# Altium PCB CogniBee_V2.PcbDoc (part 2 of 2)
Units mm, origin at the board's own origin, x right, y up, seen from the top; angles counter-clockwise.
Board outline 82.69 x 82.47 mm, 4 copper layers (Top Copper, Signal Layer 1, Signal Layer 2, Bottom Copper), stack 1.57 mm thick; 119 components, 62 nets, 367 pads, 199 vias.
Unrouted connection lines stored in the file: 6.
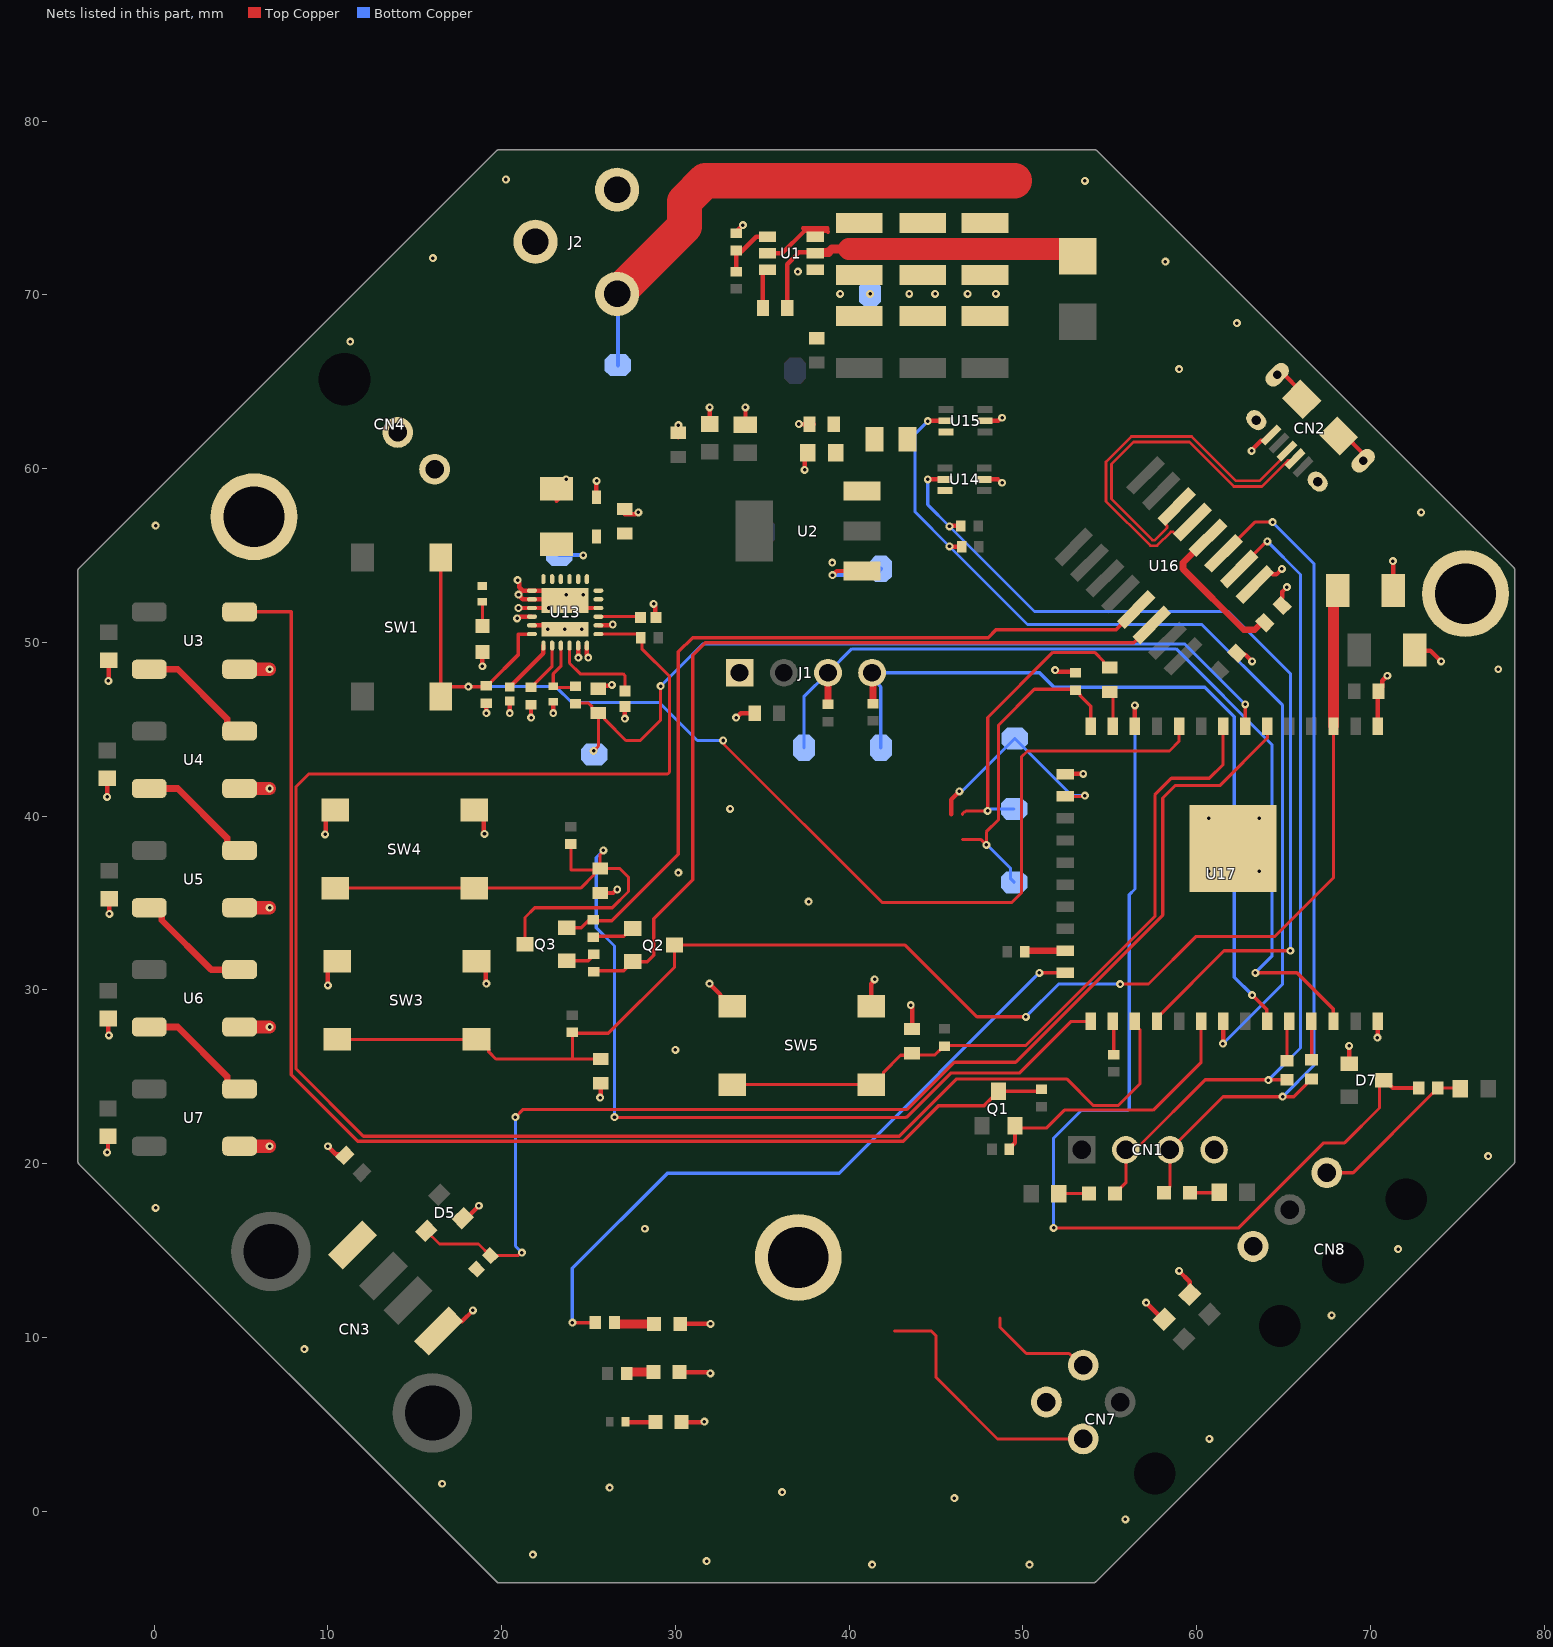
[diagram p4: the nets of this part, all layers, seen from the top]

## Via types
v1: diameter 0.457, hole 0.203, Top Copper to Bottom Copper, tented both sides, 179 vias
v2: diameter 0.61, hole 0.305, Top Copper to Bottom Copper, 9 vias
v3: diameter 0.61, hole 0.305, Top Copper to Bottom Copper, tented both sides, 6 vias
v4: diameter 0.457, hole 0.203, Top Copper to Bottom Copper, 4 vias
v5: diameter 0.457, hole 0.203, Top Copper to Bottom Copper, tented top, 1 vias

## Nets (pads, with @x,y where several pads share a name; then routed paths per layer and width w, separated by ;. In a path a pad name is that pad's centre, name@x,y a point inside that pad or via, vN(x,y) a via of type N, cw(c..) or ccw(c..) an arc to the next point about the centre after c; other vN are vias at no path point) (continued)
12V: C3.1 C4.1 C5.1 J2.1 TP12.1 U1.3 U1.5 U13.1 U13.2 U13.3 U13.16 U13.25 | length 45.2
  Top Copper w0.254: v1(20.925,53.575) 20.925,53.522 21.013,53.434 21.013,53.177 21.214,52.975 U13.1@21.748,52.975 22.5,52.975 U13.25@22.725,52.75 ; v1(20.975,51.975) U13.3@21.749,51.975 v1(22.725,51.975) ; v1(20.975,52.75) 20.975,52.714 21.214,52.475 U13.2@21.749,52.475 23.596,52.475 U13.25@23.661,52.41 24.096,51.975 U13.16@25.573,51.975 ; U1.5@35.303,72.388 36.145,72.388 37.433,73.677 38.742,73.677 38.756,73.663 ; 37.35,73.841 38.756,73.841 38.756,73.663 ; 38.786,73.633 38.756,73.663
  Top Copper w2.032: J2.1@26.65,70.05 30.525,73.925 30.525,75.37 31.715,76.56 49.525,76.56
  Bottom Copper w0.254: J2.1@26.65,70.05 26.7,70 TP12.1@26.7,65.95
  other v1: 23.712,52.75 24.7,52.75
12V_OK: R1.2 U14.5 U17.28 | length 53.5
  Top Copper w0.178: U17.28@57.72,28.19 57.72,28.39 57.931,28.601 61.58,32.25 v1(65.394,32.25)
  Top Copper w0.254: v1(44.526,59.375) U14.5@45.525,59.375 ; v1(45.779,56.67) 45.82,56.67 45.85,56.7 R1.2@46.475,56.7
  Bottom Copper w0.178: v1(44.526,59.375) 44.526,57.923 v1(45.779,56.67) 50.674,51.775 61.83,51.775 65.394,48.21 v1(65.394,32.25)
ATUADOR_CTRL: U17.10
ATUADOR_MONIT: C28.1 R12.2 TP2.1 U17.7 | length 48
  Top Copper w0.178: R12.2@24.261,46.51 24.99,46.51 25.214,46.286 25.214,46.186 25.475,45.925 C28.1@25.575,45.925 ; v1(25.3,43.75) 25.575,44.025 C28.1@25.575,45.925 ; v1(29.15,47.475) 29.15,45.514 27.986,44.35 27.15,44.35 25.936,45.564 25.936,45.664 25.675,45.925 C28.1@25.575,45.925 ; U17.7@62.8,45.175 v4(62.8,46.425)
  Bottom Copper w0.178: v1(29.15,47.475) 31.567,49.892 59.333,49.892 v4(62.8,46.425)
ATUADOR_OK: R10.2 U13.13 U17.27 | length 105.5
  Top Copper w0.178: U13.13@25.573,50.475 27.828,50.475 27.861,50.442 27.932,50.442 28.068,50.306 28.068,50.256 28.075,50.249 28.075,49.632 29.666,48.041 29.666,42.529 29.562,42.425 8.9,42.425 8.179,41.704 8.179,25.446 12.05,21.575 42.894,21.575 46.194,24.875 52.518,24.875 54.052,23.342 55.493,23.342 56.739,24.588 56.739,27.701 56.45,27.99 U17.27@56.45,28.19
AUDIO: D5.3 R38.2 U17.6 | length 71.1
  Top Copper w0.178: D5.3@15.675,16.125 16.425,15.375 18.675,15.375 R38.2@19.35,14.7 19.385,14.665 19.719,14.665 19.755,14.7 20.935,14.7 21.11,14.875 v1(21.175,14.875) ; v1(20.8,22.675) 21.244,23.119 43.345,23.119 46.06,25.835 49.585,25.835 58.05,34.3 58.05,41.044 58.756,41.75 61.33,41.75 64.07,44.49 U17.6@64.07,45.175
  Bottom Copper w0.178: v1(20.8,22.675) 20.8,15.25 v1(21.175,14.875)
BOT_OLED: C43.1 R29.2 SW5.1 SW5.2 U17.8 | length 42.3
  Top Copper w0.178: SW5.2@33.275,24.55 SW5.1@41.275,24.55 41.425,24.55 41.986,25.111 41.986,25.261 42.962,26.237 43.612,26.237 43.625,26.25 44.938,26.25 45.301,26.614 45.301,26.664 45.438,26.8 50.173,26.8 57.594,34.221 57.594,41.22 58.549,42.175 60.733,42.175 61.53,42.972 U17.8@61.53,45.175
DHT22: D7.3 R39.2 U17.12 | length 60.3
  Top Copper w0.178: v1(51.775,16.3) 62.424,16.3 67.317,21.193 68.518,21.193 70.525,23.2 70.525,24.55 D7.3@70.775,24.8
  Top Copper w0.254: U17.12@56.45,45.175 v4(56.45,46.375) ; D7.3@70.775,24.8 70.85,24.8 71.148,24.502 71.148,24.499 71.297,24.35 R39.2@72.782,24.35
  Bottom Copper w0.178: v1(51.775,16.3) 51.775,21.475 53.35,23.05 56.021,23.05 56.125,23.154 56.125,35.475 56.45,35.8 v4(56.45,46.375)
DT: CN7.3 U17.26 | length 6.2
  Top Copper w0.178: 48.675,11.1 48.675,10.6 50.2,9.075 52.665,9.075 53.341,8.399 CN7.3@53.476,8.399
DTR: Q3.2 R21.2 U16.13 | length 47.2
  Top Copper w0.203: Q3.2@23.75,33.575 24.59,33.575 24.99,33.975 25.275,33.975 26.35,33.975 30.176,37.801 30.176,49.45 30.998,50.272 48.002,50.272 48.455,50.725 55.361,50.725 U16.13@56.524,51.889
EN: C2.1 C37.1 Q2.3 R20.2 SW3.1 SW3.2 U17.3 | length 86
  Top Copper w0.178: SW3.2@10,27.15 SW3.2@10.55,27.15 SW3.1@18.55,27.15 18.7,27.15 19.261,26.589 19.261,26.439 19.675,26.025 24.075,26.025 ; C37.1@25.7,26.025 24.075,26.025 ; v1(50.173,28.45) 47.35,28.45 43.225,32.575 Q2.3@29.95,32.575 29.95,31.302 26.148,27.5 24.075,27.5 24.075,26.025 ; v1(55.597,30.335) 57.235,30.335 59.975,33.075 64.51,33.075 67.88,36.445 U17.3@67.88,45.175
  Top Copper w0.635: U17.3@67.88,45.175 67.88,52.73 C2.1@68.125,52.975
  Bottom Copper w0.178: v1(50.173,28.45) 52.058,30.335 v1(55.597,30.335)
GND: C1.2 C2.2 C3.2 C4.2 C5.2 C6.2 C7.2 C8.2 C10.2 C11.2 C12.2 C13.2 C14.2 C16.2 C17.2 C18.2 C19.2 C20.2 C26.2 C27.2 C28.2 C29.2 C30.2 C31.2 C32.2 C33.2 C34.2 C35.2 C36.2 C37.2 C38.2 C39.2 C41.2 C42.2 C43.2 CN1.4 CN2.5 CN3.1 CN4.2 CN7.4 CN8.3 D4.2 D5.1 D7.1 J1.1 J2.2 J2.3 LED3.2 LED4.2 LED5.2 LED6.2 pad.0 R6.2 R11.2 R13.2 R14.2 R34.2 SW3.3 SW3.4 SW4.3 SW4.4 SW5.3 SW5.4 TP5.1 TP6.1 U1.1 U2.1 U3.3 U4.3 U5.3 U6.3 U7.3 U13.4 U13.5 U13.11 U13.12 U13.14 U13.26 U14.2 U15.2 U16.1 U17.1 U17.15 U17.38 U17.39 | length 83.9
  Top Copper w0.254: v1(-2.7,20.65) -2.7,20.691 -2.65,20.741 C16.2@-2.65,21.575 ; v1(-2.7,41.1) C18.2@-2.7,42.175 ; C20.2@-2.625,28.35 -2.625,27.4 v1(-2.6,27.375) ; v1(-2.625,47.775) -2.6,47.8 C17.2@-2.6,48.975 ; v1(-2.575,34.372) C19.2@-2.575,35.25 ; v1(9.85,38.95) 9.875,38.975 SW4.4@9.875,40.35 ; v1(10,21) 10.459,20.541 C39.2@10.909,20.541 ; v1(10,30.26) SW3.4@10,31.65 ; D5.1@17.761,16.867 17.992,16.867 v1(18.7,17.575) ; v1(18.9,48.624) LED4.2@18.9,49.45 ; SW4.3@18.975,40.35 18.975,39.071 19.018,39.028 v1(19.018,38.975) ; SW3.3@19.1,31.65 19.1,30.378 v1(19.125,30.353) ; v1(19.125,45.925) R11.2@19.125,46.55 ; v1(20.472,45.925) C30.2@20.472,46.625 ; v1(20.898,51.373) 20.953,51.373 21.055,51.475 U13.4@21.749,51.475 ; v1(21.697,45.665) R13.2@21.697,46.41 ; U13.5@21.749,50.975 22.438,50.975 22.65,50.763 v1(22.65,50.755) ; v1(22.975,45.925) R14.2@22.975,46.575 ; 23.161,58.15 23.295,58.284 23.295,58.957 v1(23.712,59.375) ; U13.11@24.411,49.813 24.411,49.139 v1(24.425,49.125) ; U13.12@24.911,49.813 24.911,49.257 24.99,49.178 v1(24.99,49.125) ; D4.2@25.461,58.35 25.461,59.276 v1(25.475,59.29) ; U13.14@25.573,50.975 26.297,50.975 26.347,51.025 v1(26.4,51.025) ; C28.2@25.575,47.325 25.762,47.512 26.312,47.512 v1(26.35,47.55) ; v1(25.675,23.8) 25.7,23.825 C37.2@25.7,24.625 ; C36.2@25.675,35.575 26.42,35.575 26.62,35.775 v1(26.659,35.775) ; v1(27.1,45.605) C27.2@27.1,46.3 ; C26.2@27.1,57.37 27.713,57.37 27.816,57.474 v1(27.869,57.474) ; v1(28.75,52.216) 28.75,52.161 28.838,52.072 C29.2@28.838,51.423 ; C12.2@30.176,61.808 v1(30.176,62.498) ; LED5.2@30.25,8 31.892,8 31.967,7.925 v1(32.02,7.925) ; LED3.2@30.284,10.773 32.02,10.773 v1(32.025,10.778) ; LED6.2@30.35,5.125 31.65,5.125 v1(31.675,5.15) ; v1(31.967,30.353) 31.972,30.353 32.602,29.723 32.602,29.573 33.125,29.05 SW5.4@33.275,29.05 ; C13.2@31.979,62.564 v1(31.979,63.517) ; v1(33.503,45.665) 33.763,45.925 C41.2@34.568,45.925 ; R6.2@33.503,73.472 33.503,73.633 v1(33.884,74.014) ; C14.2@34.037,62.513 v1(34.037,63.517) ; v1(37.112,62.564) 37.125,62.552 C10.2@37.969,62.552 ; v1(37.444,59.921) 37.444,60.713 C11.2@37.631,60.901 ; v1(39.046,53.873) 39.057,53.873 39.289,54.105 U2.1@40.744,54.105 ; SW5.3@41.275,29.05 41.275,30.353 41.475,30.553 v1(41.475,30.6) ; v1(43.55,29.125) 43.55,29.072 43.625,28.997 C43.2@43.625,27.85 ; U14.2@47.775,59.375 48.57,59.375 48.763,59.182 v1(48.813,59.182) ; U15.2@47.825,62.75 48.583,62.75 48.758,62.925 v1(48.813,62.925) ; v1(51.853,48.4) 51.906,48.4 52.006,48.3 R34.2@53.025,48.3 ; U17.15@52.44,42.405 52.46,42.425 v1(53.475,42.425) ; v1(57.1,12) 58.059,11.041 C38.2@58.134,11.041 ; v1(58.99,13.825) 59.609,13.206 59.609,12.993 59.645,12.958 59.645,12.501 C42.2@59.609,12.466 ; C32.2@62.32,49.37 62.391,49.299 62.799,49.299 v1(63.2,48.898) ; v1(63.171,61.016) 63.171,61.067 63.703,61.599 63.861,61.599 CN2.5@64.447,62.185 ; U16.1@63.349,53.325 64.023,53.999 64.292,53.999 64.382,53.909 64.592,53.909 v1(64.906,54.223) ; CN2.5@64.8,65.65 CN2.5@66.214,64.236 ; C33.2@64.92,52.12 64.849,52.191 64.849,52.506 64.92,52.577 64.92,52.899 v1(65.2,53.179) ; CN2.5@68.336,62.114 CN2.5@69.75,60.7 ; D7.1@68.775,25.75 v1(68.775,26.77) ; v1(70.4,27.25) 70.42,27.27 U17.38@70.42,28.19 ; U17.1@70.42,45.175 70.42,47.12 C34.2@70.475,47.175 70.69,47.39 70.69,47.79 v1(70.975,48.075) ; v1(71.3,54.675) 71.325,54.65 C2.2@71.325,52.975 ; C35.2@72.55,49.55 72.586,49.514 73.457,49.514 v1(74.073,48.898)
  Top Copper w0.762: U7.3@4.925,21 v1(6.65,21) ; U6.3@4.925,27.862 v1(6.65,27.862) ; U5.3@4.925,34.725 v1(6.65,34.725) ; U4.3@4.925,41.587 v1(6.65,41.587) ; U3.3@4.925,48.45 v1(6.65,48.45)
  Bottom Copper w0.254: v1(39.046,53.873) 41.475,53.873 TP6.1@41.825,54.223
  other v1: 41.325,-3.075 50.383,-3.075 31.8,-2.875 21.8,-2.5 55.9,-0.475 46.06,0.745 36.15,1.1 26.225,1.35 16.575,1.575 60.741,4.156 8.65,9.325 67.776,11.26 71.6,15.075 28.25,16.25 0.09,17.449 76.782,20.427 30,26.55 37.675,35.075 30.176,36.743 60.704,36.825 63.598,36.825 60.704,39.865 63.598,39.865 33.154,40.415 77.358,48.451 23.637,50.755 24.625,50.755 39.031,54.583 0.09,56.714 72.925,57.475 58.99,65.722 11.292,67.3 62.32,68.372 39.485,70.05 41.21,70.05 43.464,70.05 44.947,70.05 46.825,70.05 48.45,70.05 37.059,71.339 58.198,71.913 16.05,72.112 53.571,76.56 20.25,76.636
IO0: C36.1 Q3.3 R36.2 SW4.1 SW4.2 U17.25 | length 76.8
  Top Copper w0.178: SW4.2@9.875,35.85 SW4.2@10.425,35.85 SW4.1@18.425,35.85 24.55,35.85 25.314,36.614 25.314,36.714 C36.1@25.507,36.907 ; Q3.3@21.35,32.625 21.35,34.164 21.911,34.725 26.375,34.725 27.308,35.658 27.308,36.483 26.817,36.975 C36.1@25.675,36.975 ; R36.2@23.989,38.342 24.008,38.323 24.008,36.907 C36.1@25.507,36.907 ; v1(25.862,38.025) 25.862,37.972 25.675,37.785 C36.1@25.675,36.975 ; v1(26.5,22.675) 26.512,22.663 43.265,22.663 43.277,22.675 43.328,22.675 45.878,25.225 49.82,25.225 52.785,28.19 U17.25@53.91,28.19 ; C36.1@25.507,36.907 25.607,36.907 C36.1@25.675,36.975
  Bottom Copper w0.178: v1(25.862,38.025) 25.45,37.613 25.45,33.575 26.5,32.525 v1(26.5,22.675)
IO2: R35.1 | length 39.9
  Top Copper w0.203: v1(24.075,10.844) 24.081,10.85 R35.1@25.4,10.85 ; v1(50.95,30.975) 52.44,30.975
  Bottom Copper w0.203: v1(24.075,10.844) 24.075,13.975 29.55,19.45 39.425,19.45 v1(50.95,30.975)
IO4: R22.2 | length 1.9
  Top Copper w0.203: 55.18,28.19 55.225,28.145 R22.2@55.225,26.325
MISO: R34.1 TP10.1 U17.14 | length 19.2
  Top Copper w0.178: 46.528,38.647 47.603,38.647 v1(47.903,38.347) 47.903,39.093 48.599,39.789 48.599,45.237 50.662,47.3 R34.1@53.025,47.3
  Top Copper w0.203: R34.1@53.025,47.2 53.075,47.2 53.298,46.977 53.298,46.927 53.91,46.315 U17.14@53.91,45.175
  Bottom Copper w0.178: v1@47.897,38.39 49.299,36.988 49.299,36.388 TP10.1@49.497,36.19
MOSI: TP9.1 U17.16 | length 12.5
  Top Copper w0.178: U17.16@52.44,41.135 53.531,41.135 v5(53.571,41.175)
  Top Copper w0.254: 45.878,40.097 45.878,40.95 v1(46.35,41.422)
  Bottom Copper w0.178: v1(46.35,41.422) 46.402,41.474 46.542,41.474 TP9.1@49.536,44.468 52.83,41.175 v5(53.571,41.175)
MTDO: R33.2 U17.23 | length 2.3
  Top Copper w0.381: R33.2@50.15,32.2 50.195,32.245 U17.23@52.44,32.245
Neopixel_3V3: Q1.2 R2.2 U17.30 | length 16.2
  Top Copper w0.178: Q1.2@49.549,22.168 49.679,22.037 51.354,22.037 52.392,23.075 57.5,23.075 60.26,25.835 U17.30@60.26,28.19
  Top Copper w0.254: R2.2@49.174,20.818 49.174,20.868 49.272,20.966 49.322,20.966 49.549,21.193 Q1.2@49.549,22.168
Neopixel_5V: Q1.3 R8.2 U3.4 | length 75.6
  Top Copper w0.203: U3.4@4.925,51.75 7.9,51.75 7.9,25.11 11.714,21.296 43.116,21.296 45.138,23.318 47.749,23.318 48.226,23.795 48.301,23.795 48.599,24.093 Q1.3@48.599,24.168 51.024,24.168 R8.2@51.074,24.218
NetC1_1: C1.1 C26.1 CN4.1 D4.1 R3.2 TP1.1 U13.17 U13.18 U13.19 U13.20 U13.21 U13.22 U13.23 U13.24 | length 1.4
  Bottom Copper w0.254: TP1.1@23.325,55.025 24.677,55.025 v1(24.7,55.002)
NetC9_1: C9.1 L1.2 U1.2 | length 20
  Top Copper w0.254: C9.1@36.438,69.239 36.438,71.756 37.059,72.377 37.059,72.388 37.11,72.439 U1.2@38.1,72.439
  Top Copper w0.508: U1.2@38.1,72.439 38.812,72.439 39.015,72.642 40.005,72.642
  Top Copper w1.27: 40.005,72.642 53.439,72.642 L1.2@53.55,72.531
NetC9_2: C9.2 U1.6 | length 2.4
  Top Copper w0.254: C9.2@35.038,69.239 35.038,71.177 U1.6@35.35,71.489
NetC10_1: C10.1 C11.1 FB1.2 U2.3
NetC27_1: C27.1 U13.10 | length 5.4
  Top Copper w0.178: U13.10@23.911,49.813 23.911,48.8 24.522,48.188 26.996,48.188 27.1,48.084 C27.1@27.1,47.2
NetC29_1: C29.1 U13.15 | length 2.5
  Top Copper w0.178: U13.15@25.573,51.475 27.986,51.475 C29.1@28.038,51.423
NetC30_1: C30.1 U13.7 | length 3.2
  Top Copper w0.254: C30.1@20.472,47.425 22.411,49.364 U13.7@22.411,49.812
NetC33_1: C33.1 U16.4 | length 8.7
  Top Copper w0.381: U16.4@60.655,56.019 59.219,54.583 59.219,54.223 62.717,50.725 63.347,50.725 63.753,51.13 C33.1@63.93,51.13
NetCN3_4: CN3.4 R38.1 | length 2.5
  Top Copper w0.254: CN3.4@16.381,10.357 16.947,10.922 17.722,10.922 v1(18.35,11.55)
NetCN8_1: CN8.1 R30.1 R39.1 | length 9.8
  Top Copper w0.178: CN8.1@67.492,19.476 69.008,19.476 73.596,24.064 73.646,24.064 73.882,24.3 R39.1@73.882,24.35 75.132,24.35 R30.1@75.182,24.3
NetFB1_1: FB1.1 U14.6 U15.6
NetLED1_1: LED1.1 R15.1 | length 1.7
  Top Copper w0.178: R15.1@52.075,18.275 LED1.1@53.8,18.275
NetLED2_1: LED2.1 R16.1 | length 1.7
  Top Copper w0.178: LED2.1@59.625,18.325 61.275,18.325 R16.1@61.3,18.35
NetLED3_1: LED3.1 R35.2 | length 2.3
  Top Copper w0.508: R35.2@26.5,10.85 26.5,10.844 26.571,10.773 LED3.1@28.784,10.773
NetLED4_1: LED4.1 R3.1 | length 1.4
  Top Copper w0.178: LED4.1@18.9,50.95 R3.1@18.9,52.338
NetLED5_1: LED5.1 R5.2 | length 1.6
  Top Copper w0.508: R5.2@27.2,7.925 27.2,7.929 27.271,8 LED5.1@28.75,8
NetLED6_1: LED6.1 R7.2 | length 1.7
  Top Copper w0.254: R7.2@27.15,5.125 LED6.1@28.85,5.125
NetQ2_1: Q2.1 R21.1 | length 2.5
  Top Copper w0.203: R21.1@25.275,33.075 27.033,33.075 27.152,33.194 27.152,33.202 27.475,33.525 Q2.1@27.55,33.525
NetQ3_1: Q3.1 R23.1 | length 1.7
  Top Copper w0.203: Q3.1@23.75,31.675 24.975,31.675 25.127,31.827 25.127,31.877 25.25,32 R23.1@25.3,32
NetR4_1: R4.1 R6.1 U1.4 | length 3.3
  Top Copper w0.254: R4.1@33.503,71.339 33.503,72.472 33.79,72.472 34.656,73.338 U1.4@35.303,73.338
NetR11_1: R11.1 SW1.3 SW1.4 U13.6 | length 70.9
  Top Copper w0.178: v1(32.75,44.35) 32.803,44.297 32.803,44.122 41.9,35.025 49.363,35.025 49.913,35.575 49.913,43.396 50.267,43.75 58.438,43.75 58.99,44.302 58.99,45.175
  Top Copper w0.203: SW1.3@16.5,46.875 SW1.3@16.5,46.902 ; SW1.4@16.5,54.875 SW1.3@16.5,46.902 ; U13.6@21.749,50.475 20.973,50.475 20.973,49.298 19.298,47.623 19.298,47.573 19.175,47.45 19.125,47.45 v1(18.087,47.45) 17.048,47.45 SW1.3@16.5,46.902
  Bottom Copper w0.178: v1(18.087,47.45) 23.128,47.45 24.053,46.525 29.09,46.525 31.265,44.35 v1(32.75,44.35)
NetR12_1: R12.1 R14.1 U13.9 | length 3.8
  Top Copper w0.178: U13.9@23.411,49.813 23.411,48.624 22.975,48.188 R14.1@22.975,47.475 23.04,47.41 R12.1@24.261,47.41
NetR13_1: R13.1 U13.8 | length 2.9
  Top Copper w0.178: R13.1@21.697,47.41 21.747,47.41 21.933,47.596 21.933,47.646 22.911,48.624 U13.8@22.911,49.813
NetR24_1: R24.1 U17.13 | length 2
  Top Copper w0.178: U17.13@55.18,45.175 55.18,47.005 R24.1@55.325,47.15
NetU3_2: U3.2 U4.4 | length 6.9
  Top Copper w0.381: U3.2@-0.275,48.45 1.363,48.45 4.207,45.605 4.207,45.241 4.561,44.887 U4.4@4.925,44.887
NetU4_2: U4.2 U5.4 | length 6.9
  Top Copper w0.381: U4.2@-0.275,41.587 1.363,41.587 4.207,38.743 4.207,38.378 4.561,38.025 U5.4@4.925,38.025
NetU5_2: U5.2 U6.4 | length 6.9
  Top Copper w0.381: U5.2@-0.275,34.725 0.09,34.725 0.443,34.372 0.443,34.007 3.288,31.162 U6.4@4.925,31.162
NetU6_2: U6.2 U7.4 | length 6.9
  Top Copper w0.381: U6.2@-0.275,27.862 1.363,27.862 4.207,25.018 4.207,24.653 4.561,24.3 U7.4@4.925,24.3
OLED_SCL: J1.3 R31.2 TP7.1 U17.36 | length 54.8
  Top Copper w0.203: v1(63.38,30.975) 65.775,30.975 67.874,28.876 67.874,28.196 U17.36@67.88,28.19
  Top Copper w0.381: R31.2@38.785,46.375 J1.3@38.785,48.25
  Bottom Copper w0.178: TP7.1@37.4,43.925 37.4,46.865 J1.3@38.785,48.25 40.16,49.625 58.825,49.625 64.333,44.117 64.333,31.928 v1(63.38,30.975)
OLED_SDA: J1.4 R32.2 TP8.1 U17.33 | length 46.6
  Top Copper w0.203: v1(63.2,29.7) 64.024,28.876 64.024,28.236 U17.33@64.07,28.19
  Top Copper w0.381: J1.4@41.325,48.25 41.375,48.2 R32.2@41.375,46.425
  Bottom Copper w0.178: J1.4@41.325,48.25 41.325,47.935 41.825,47.435 TP8.1@41.825,43.925
  Bottom Copper w0.203: J1.4@41.325,48.25 50.958,48.25 51.792,47.416 60.474,47.416 62.175,45.715 62.175,30.725 v1(63.2,29.7)
RDX: CN1.3 LED2.2 R18.2 U16.3 | length 50.9
  Top Copper w0.178: LED2.2@58.125,18.325 58.465,18.665 CN1.3@58.465,20.8 61.515,23.85 v1(64.95,23.85) 65.6,23.85 66.339,24.589 66.339,24.639 66.575,24.875 R18.2@66.625,24.875 ; U16.3@61.553,55.121 63.349,56.918 v1(64.37,56.918)
  Bottom Copper w0.178: v1(64.37,56.918) 66.75,54.537 66.75,25.65 v1(64.95,23.85)
RTS: Q2.2 R23.2 U16.14 | length 49.2
  Top Copper w0.203: R23.2@25.3,31.1 27.025,31.1 27.152,31.227 27.152,31.302 27.475,31.625 Q2.2@27.55,31.625 28.375,31.625 28.75,32 28.75,34.091 30.998,36.339 30.998,49.257 31.721,49.98 56.374,49.98 57.385,50.991 U16.14@57.422,50.991
RXDO: R17.1 U17.34 | length 2.3
  Top Copper w0.178: R17.1@65.2,25.925 65.2,28.05 U17.34@65.34,28.19
SCK: CN7.2 R24.2 TP11.1 U17.24 | length 32.3
  Top Copper w0.178: 42.623,10.36 44.74,10.36 45,10.1 45,7.7 48.544,4.156 CN7.2@53.476,4.156 ; 46.528,40.097 46.528,40.147 46.614,40.233 46.664,40.233 46.725,40.294 v1(47.978,40.294) 47.978,45.675 51.724,49.421 54.129,49.421 54.652,48.898 54.652,48.798 54.9,48.55 R24.2@55,48.55
  Bottom Copper w0.178: v1@47.972,40.337 48.045,40.337 48.123,40.415 TP11.1@49.497,40.415
TDX: CN1.2 LED1.2 R17.2 U16.2 | length 48.6
  Top Copper w0.178: LED1.2@55.3,18.275 55.925,18.9 CN1.2@55.925,20.8 56.192,21.067 56.739,21.067 60.497,24.825 R17.2@65.2,24.825 ; U16.2@62.451,54.223 64.04,55.812 v1(64.07,55.812)
  Bottom Copper w0.178: v1(64.07,55.812) 65.975,53.907 65.975,26.65 v1(64.125,24.8)
TXDO: R18.1 U17.35 | length 2.2
  Top Copper w0.178: U17.35@66.61,28.19 66.625,28.175 R18.1@66.625,25.975
USB2_N: CN2.2 U16.6 | length 21.1
  Top Copper w0.155: U16.6@58.859,57.816 58.198,57.154 58.198,56.815 58.301,56.712 58.301,56.583 57.594,55.877 57.466,55.877 55.099,58.244 55.099,60.257 56.374,61.532 59.585,61.532 62.145,58.972 63.756,58.972 65.254,60.47 65.49,60.47 CN2.2@65.825,60.806
USB2_P: CN2.3 U16.5 | length 22.2
  Top Copper w0.155: U16.5@59.757,56.918 59.096,56.256 58.756,56.256 58.654,56.359 58.525,56.359 57.725,55.559 57.334,55.559 54.781,58.112 54.781,60.388 56.243,61.85 59.716,61.85 62.277,59.29 63.625,59.29 65.03,60.695 65.03,60.93 CN2.3@65.366,61.266
USB_OK: R9.2 U15.5 U17.31 | length 55.3
  Top Copper w0.254: v1(44.526,62.725) 44.551,62.75 U15.5@45.575,62.75 ; v1(45.779,55.517) 45.796,55.5 R9.2@46.525,55.5 ; v1(61.515,26.9) 61.53,26.915 U17.31@61.53,28.19
  Bottom Copper w0.178: v1(44.526,62.725) 43.8,61.999 43.8,57.496 v1(45.779,55.517) 50.271,51.025 60.3,51.025 64.95,46.375 64.95,30.335 v1(61.515,26.9)
pads on no net: CN2.4 CN3.3 CN3.5 CN4.0 CN7.0 CN8.0 D5.2 D7.2 U7.2 U14.4 U15.4 U16.7 U16.8 U16.9 U16.10 U16.11 U16.12 U16.15 U17.4 U17.5 U17.9 U17.11 U17.17 U17.18 U17.19 U17.20 U17.21 U17.22 U17.29 U17.32 U17.37
copper on no net: | length 123.1
  Top Copper w0.178: 44.05,12.1 44.05,13.175 44.514,13.639 44.564,13.639 44.564,15.214 v1(44.825,15.475) ; 45.228,40.097 45.228,41.422 45.228,43.965 50.95,49.688 55.387,49.688 57.72,47.355 57.72,45.175 ; 60.26,45.175 v4(60.26,46.425)
  Top Copper w0.203: 51.829,13.849 54.049,13.849 v1(54.075,13.875)
  Top Copper w0.254: v1(43.153,36.672) 43.163,36.662 44.088,36.662 44.088,36.762 44.311,36.985 44.411,36.985 44.578,37.152 44.578,38.647 44.578,39.073 44.727,39.222 45.728,39.222 45.875,39.075 45.875,38.65 45.878,38.647 ; v1(43.353,40.072) 43.378,40.097 44.578,40.097 ; 45.228,38.647 45.228,37.796 v1(45.488,37.536) ; 45.488,36.662 46.235,36.662 46.35,36.547 v1(46.403,36.547) ; 48.675,13.399 48.675,12.2 48.873,12.398 48.998,12.398 50.449,13.849 51.829,13.849 ; 48.675,14.299 v1(48.675,15.233) ; v1(50.8,10.725) 50.8,10.778 50.879,10.857 50.879,11.849 ; v1(58.99,26.642) 58.99,28.19
  Top Copper w0.381: 45.6,13.825 46.196,13.825 46.382,13.639 v1(46.403,13.639) ; 45.95,12.1 46.027,12.023 46.757,12.023 46.879,11.9 v1(46.9,11.9)
  Top Copper w0.508: 13.199,13.539 14.614,12.124 16.411,13.922 18.186,13.922 18.221,13.958 18.537,13.958 18.572,13.922
  Bottom Copper w0.178: v1(44.825,15.475) 44.825,11.675 47.25,9.25 52.661,9.25 52.988,9.577 53.102,9.577 59.929,16.404 59.929,46.094 v4(60.26,46.425)
  Bottom Copper w0.203: v1(54.075,13.875) 57.3,17.1 57.3,23.885 58.99,25.575 v1(58.99,26.642)
  other v1: 3.714,18.339

## Polygon pours and split planes (outlines as drawn)
GND on Top Copper "GND_L01_P042" (solid, pour order 42): 78.244,30.025 78.206,20.026 54.165,-4.015 19.937,-4.204 -4.281,20.026 -4.282,41.725 -4.319,54.117 19.862,78.285 47.725,78.286 54.1,78.283 78.206,54.257
NetC1_1 on Top Copper "NETC1_1_L01_P033" (solid, pour order 33): 27.986,52.41 27.752,52.175 19.325,52.175 18.575,52.925 18.575,54.775 20.25,56.45 21.695,56.45 22.411,57.166 22.802,56.775 28.068,56.775
NetC1_1 on Top Copper "NETC1_1_L01_P034" (solid, pour order 34): 10.757,61.786 19.22,53.323 22.955,57.059 14.591,65.423
5V on Top Copper "5V_L01_P036" (solid, pour order 36): 56.8,69.875 56.875,69.8 56.875,63.75 50.267,57.142 50.2,57.209 47.425,57.209 47.425,62.55 46.225,63.75 19.05,63.75 19.05,67.55 49.55,67.55 49.55,68.614 50.84,69.904
12V on Top Copper "12V_L01_P008" (solid, pour order 8): 39.031,73.455 38.574,72.998 37.11,72.998 37.11,73.836 38.1,74.827 38.126,74.827 38.126,78.294 50.267,78.294 50.267,73.455
5V_USB on Top Copper "5V_USB_L01_P035" (solid, pour order 35): 47.162,62.354 49.913,62.354 49.913,60.065 49.556,59.708 47.162,59.708
NetFB1_1 on Top Copper "NETFB1_1_L01_P031" (solid, pour order 31): 42.682,62.764 42.682,57.589 47.275,57.589 47.275,62.733
GND on Top Copper "GND_L01_P032" (solid, pour order 32): 36.781,71.756 37.444,71.756 49.525,71.756 49.525,68 48.775,67.25 37.631,67.25 37.631,69.494 36.811,70.314
3.3V on Top Copper "3.3V_L01_P006" (solid, pour order 6): 29.384,50.291 29.384,61.332 35.114,61.332 36.217,60.23 36.217,53.179 42.425,53.179 42.425,54.741 42.239,54.741 41.689,55.291 39.164,55.291 39.164,57.166 39.439,57.441 44.689,57.441 44.689,51.516 43.464,50.291
NetC10_1 on Top Copper "NETC10_1_L01_P000" (solid, pour order 0): 39.231,57.474 39.331,57.573 42.465,57.573 42.465,63.517 41.856,64.126 39.177,64.126 38.477,63.427 38.477,59.758
3.3V on Signal Layer 2 "3.3V_L03_P041" (solid, pour order 41): 19.85,78.325 54.175,78.325 78.325,54.175 78.225,54.075 78.225,20.05 78.15,20.05 54,-4.1 19.7,-4.1 19.7,-4.075 -4.475,20.1 -4.45,20.125 -4.45,54.075
5V on Signal Layer 2 "5V_L03_P039" (solid, pour order 39): -2.775,50.1 11.35,50.1 22.362,61.112 22.362,67.05 8.575,67.05 -3.327,55.148
12V on Signal Layer 2 "12V_L03_P040" (solid, pour order 40): 20.625,51.45 19.85,52.225 19.85,58.05 22.55,60.75 22.55,72.147 28.925,72.147 28.925,71.15 28.925,55.075 25.3,51.45
5V on Signal Layer 2 "5V_L03_P038" (solid, pour order 38): -1.034,24.95 9.625,24.95 26.075,8.5 24.4,6.825 8.909,6.825 -1.104,16.837
5V on Signal Layer 2 "5V_L03_P037" (solid, pour order 37): -4.271,54.85 2,54.85 2,19.125 -0.75,16.375 -4.475,20.1 -4.475,20.175
GND on Bottom Copper "GND_L04_P043" (solid, pour order 43): 78.244,30.025 78.206,20.026 54.165,-4.015 19.431,-3.424 -4.281,20.026 -4.282,41.725 -4.319,54.117 19.862,78.285 47.725,78.286 54.1,78.283 78.206,54.257
GND on Signal Layer 1 "GND_L02_P002" (solid, pour order 2): 78.244,30.025 78.206,20.026 54.165,-4.015 19.431,-3.424 -4.281,20.026 -4.282,41.725 -4.319,54.117 19.862,78.285 47.725,78.286 54.1,78.283 78.206,54.257

## Keep-outs
Keep-Out Layer:
  lines w0.051: -4.326,19.981 cw(c-4.192,20.117) -4.327,19.981 ; -4.327,19.981 cw(c-4.192,20.117) -4.383,20.117 -4.383,54.117 cw(c-4.192,54.117) -4.327,54.252 19.715,78.294 cw(c19.85,78.158) 19.862,78.349 ; -4.327,19.981 -4.327,19.981 ; -4.327,19.981 19.752,-4.098 ccw(c19.797,-4.052) 19.799,-4.116 ccw(c19.8,-4.052) 19.8,-4.116 54.05,-4.116 ccw(c54.05,-3.925) 54.062,-4.116 ; 19.862,78.349 cw(c19.875,78.158) 19.875,78.35 54.075,78.35 cw(c54.075,78.158) 54.1,78.348 ; 19.863,78.349 ccw(c19.85,78.158) 19.862,78.349 ; 19.862,78.349 19.863,78.349 ; 54.062,-4.116 ccw(c54.075,-3.925) 54.062,-4.116 ; 54.062,-4.116 ccw(c54.05,-3.925) 54.063,-4.116 ; 54.062,-4.116 ccw(c54.075,-3.925) 54.21,-4.06 78.252,19.981 ; 54.062,-4.116 54.062,-4.116 ; 54.062,-4.116 54.063,-4.116 ; 54.1,78.348 cw(c54.125,78.158) 54.26,78.294 78.252,54.302 ; 54.1,78.348 54.1,78.348 ; 78.251,19.981 ccw(c78.117,20.117) 78.251,19.981 ; 78.251,19.981 ccw(c78.117,20.117) 78.252,19.981 ; 78.252,19.981 ccw(c78.117,20.117) 78.252,19.981 ; 78.251,19.981 78.252,19.981 ; 78.251,54.302 ccw(c78.117,54.167) 78.251,54.303 ; 78.252,54.302 ccw(c78.117,54.167) 78.251,54.302 ; 78.252,54.302 cw(c78.117,54.167) 78.252,54.302 ; 78.251,54.303 78.252,54.302 ; 78.252,19.981 ccw(c78.117,20.117) 78.308,20.117 78.308,54.167 ccw(c78.117,54.167) 78.252,54.302

## Other copper
Multi-Layer:
  pour cut-out: 78.075,46.775 78.075,26.9 70.7,26.9 70.7,46.926

## Silkscreen, mask and mechanical layers (free items; w line width, h text height)
Top Overlay:
  lines w0.051: -4.326,19.981 cw(c-4.192,20.117) -4.327,19.981 ; -4.327,19.981 cw(c-4.192,20.117) -4.383,20.117 -4.383,54.117 cw(c-4.192,54.117) -4.327,54.252 19.715,78.294 cw(c19.85,78.158) 19.862,78.349 ; -4.327,19.981 -4.327,19.981 ; -4.327,19.981 19.752,-4.098 ccw(c19.797,-4.052) 19.799,-4.116 ccw(c19.8,-4.052) 19.8,-4.116 54.05,-4.116 ccw(c54.05,-3.925) 54.062,-4.116 ; 19.862,78.349 cw(c19.875,78.158) 19.875,78.35 54.075,78.35 cw(c54.075,78.158) 54.1,78.348 ; 19.863,78.349 ccw(c19.85,78.158) 19.862,78.349 ; 19.862,78.349 19.863,78.349 ; 54.062,-4.116 ccw(c54.075,-3.925) 54.062,-4.116 ; 54.062,-4.116 ccw(c54.05,-3.925) 54.063,-4.116 ; 54.062,-4.116 ccw(c54.075,-3.925) 54.21,-4.06 78.252,19.981 ; 54.062,-4.116 54.062,-4.116 ; 54.062,-4.116 54.063,-4.116 ; 54.1,78.348 cw(c54.125,78.158) 54.26,78.294 78.252,54.302 ; 54.1,78.348 54.1,78.348 ; 78.251,19.981 ccw(c78.117,20.117) 78.251,19.981 ; 78.251,19.981 ccw(c78.117,20.117) 78.252,19.981 ; 78.252,19.981 ccw(c78.117,20.117) 78.252,19.981 ; 78.251,19.981 78.252,19.981 ; 78.251,54.302 ccw(c78.117,54.167) 78.251,54.303 ; 78.252,54.302 ccw(c78.117,54.167) 78.251,54.302 ; 78.252,54.302 cw(c78.117,54.167) 78.252,54.302 ; 78.251,54.303 78.252,54.302 ; 78.252,19.981 ccw(c78.117,20.117) 78.308,20.117 78.308,54.167 ccw(c78.117,54.167) 78.252,54.302
  text "ATUADOR 12V" at 12.882,70.737 h1 r315
  text "5V" at 34.037,66.35 h1.27
  text "3.3V" at 43.484,53.325 h1.27
  text "Blinky" at 32.741,9.975 h1.02
  text "ESP IoT | Rev 3.0 / cognibee.buzz" at 23.7,-2.65 h1.27
Mechanical 1:
  drawing of 295 lines, arcs and shapes, not listed
  text "Layer" at -13.271,123.444 h1.52
  text "Name" at -2.86,123.444 h1.52
  text "Material" at 21.01,123.444 h1.52
  text "Thickness" at 42.848,123.444 h1.52
  text "Constant" at 59.354,123.444 h1.52
  text "Board Layer Stack" at 73.828,123.444 h1.52
  text "Top Overlay" at -2.86,120.396 h1.52
  text "Top Mask" at -2.86,117.348 h1.52
  text "Solder Resist" at 21.01,117.348 h1.52
  text "0.59mil" at 42.848,117.348 h1.52
  text "3.8" at 59.354,117.348 h1.52
  text "1" at -13.271,114.3 h1.52
  text "Top Copper" at -2.86,114.3 h1.52
  text "1.38mil" at 42.848,114.3 h1.52
  text "Dielectric 1" at -2.86,111.252 h1.52
  text "2313" at 21.01,111.252 h1.52
  text "3.94mil" at 42.848,111.252 h1.52
  text "4.05" at 59.354,111.252 h1.52
  text "2" at -13.271,108.204 h1.52
  text "Signal Layer 1" at -2.86,108.204 h1.52
  text "0.69mil" at 42.848,108.204 h1.52
  text "Core" at -2.86,105.156 h1.52
  text "FR-4" at 21.01,105.156 h1.52
  text "49.80mil" at 42.848,105.156 h1.52
  text "4.5" at 59.354,105.156 h1.52
  text "3" at -13.271,102.108 h1.52
  text "Signal Layer 2" at -2.86,102.108 h1.52
  text "0.69mil" at 42.848,102.108 h1.52
  text "Dielectric 2" at -2.86,99.06 h1.52
  text "2313" at 21.01,99.06 h1.52
  text "3.94mil" at 42.848,99.06 h1.52
  text "4.05" at 59.354,99.06 h1.52
  text "4" at -13.271,96.012 h1.52
  text "Bottom Copper" at -2.86,96.012 h1.52
  text "1.38mil" at 42.848,96.012 h1.52
  text "Bottom Mask" at -2.86,92.964 h1.52
  text "Solder Resist" at 21.01,92.964 h1.52
  text "0.59mil" at 42.848,92.964 h1.52
  text "3.8" at 59.354,92.964 h1.52
  text "Bottom Overlay" at -2.86,89.916 h1.52
  text "Total board thickness:" at -13.271,86.868 h1.52
  text "62.99mil" at 42.848,86.868 h1.52
Drill Drawing:
  drawing of 181 lines, arcs and shapes, not listed
  text "Symbol" at -12.763,194.664 h1.83
  text "Count" at 0.086,194.664 h1.83
  text "Hole Size" at 15.322,194.664 h1.83
  text "Plated" at 44.523,194.664 h1.83
  text "Hole Type" at 57.372,194.664 h1.83
  text "Drill Layer Pair" at 76.011,194.664 h1.83
  text "Via/Pad" at 117.147,194.664 h1.83
  text "Pad Shape" at 132.129,194.664 h1.83
  text "Template" at 151.072,194.664 h1.83
  text "Description" at 182.305,194.664 h1.83
  text "Hole Tolerance (+)" at 203.99,194.664 h1.83
  text "Hole Tolerance (-)" at 237.864,194.664 h1.83
  text "1" at 0.086,190.854 h1.52
  text "1.030mm (40.55mil)" at 15.322,190.854 h1.52
  text "PTH" at 44.523,190.854 h1.52
  text "Round" at 57.372,190.854 h1.52
  text "Top Copper - Bottom Copper" at 76.011,190.854 h1.52
  text "Pad" at 117.147,190.854 h1.52
  text "Rectangle" at 132.129,190.854 h1.52
  text "s160h103(Tol25)" at 151.072,190.854 h1.52
  text "0.250mm (9.84mil)" at 203.99,190.854 h1.52
  text "1" at 0.086,187.044 h1.52
  text "2.410mm (94.88mil)" at 15.322,187.044 h1.52
  text "NPTH" at 44.523,187.044 h1.52
  text "Round" at 57.372,187.044 h1.52
  text "Top Copper - Bottom Copper" at 76.011,187.044 h1.52
  text "Pad" at 117.147,187.044 h1.52
  text "Rounded" at 132.129,187.044 h1.52
  text "c0hn241" at 151.072,187.044 h1.52
  text "1" at 0.086,183.234 h1.52
  text "3.000mm (118.11mil)" at 15.322,183.234 h1.52
  text "NPTH" at 44.523,183.234 h1.52
  text "Round" at 57.372,183.234 h1.52
  text "Top Copper - Bottom Copper" at 76.011,183.234 h1.52
  text "Pad" at 117.147,183.234 h1.52
  text "Rounded" at 132.129,183.234 h1.52
  text "c0hn300" at 151.072,183.234 h1.52
  text "1" at 0.086,179.424 h1.52
  text "3.500mm (137.79mil)" at 15.322,179.424 h1.52
  text "PTH" at 44.523,179.424 h1.52
  text "Round" at 57.372,179.424 h1.52
  text "Top Copper - Bottom Copper" at 76.011,179.424 h1.52
  text "Pad" at 117.147,179.424 h1.52
  text "Rounded" at 132.129,179.424 h1.52
  text "c500h350(Tol100-100)" at 151.072,179.424 h1.52
  text "1.000mm (39.37mil)" at 203.99,179.424 h1.52
  text "1.000mm (39.37mil)" at 237.864,179.424 h1.52
  text "2" at 0.086,175.614 h1.52
  text "0.500mm (19.69mil)" at 15.322,175.614 h1.52
  text "PTH" at 44.523,175.614 h1.52
  text "Slot" at 57.372,175.614 h1.52
  text "Top Copper - Bottom Copper" at 76.011,175.614 h1.52
  text "Pad" at 117.147,175.614 h1.52
  text "Rounded" at 132.129,175.614 h1.52
  text "r90_155h50_115r45" at 151.072,175.614 h1.52
  text "2" at 0.086,171.804 h1.52
  text "0.550mm (21.65mil)" at 15.322,171.804 h1.52
  text "PTH" at 44.523,171.804 h1.52
  text "Slot" at 57.372,171.804 h1.52
  text "Top Copper - Bottom Copper" at 76.011,171.804 h1.52
  text "Pad" at 117.147,171.804 h1.52
  text "Rounded" at 132.129,171.804 h1.52
  text "r125_95h55_85r48" at 151.072,171.804 h1.52
  text "2" at 0.086,167.994 h1.52
  text "3.175mm (125.00mil)" at 15.322,167.994 h1.52
  text "PTH" at 44.523,167.994 h1.52
  text "Round" at 57.372,167.994 h1.52
  text "Top Copper - Bottom Copper" at 76.011,167.994 h1.52
  text "Pad" at 117.147,167.994 h1.52
  text "Rounded" at 132.129,167.994 h1.52
  text "c457h318" at 151.072,167.994 h1.52
  text "2" at 0.086,164.184 h1.52
  text "3.500mm (137.79mil)" at 15.322,164.184 h1.52
  text "PTH" at 44.523,164.184 h1.52
  text "Round" at 57.372,164.184 h1.52
  text "Top Copper - Bottom Copper" at 76.011,164.184 h1.52
  text "Pad" at 117.147,164.184 h1.52
  text "Rounded" at 132.129,164.184 h1.52
  text "c500h350(Tol0-0)" at 151.072,164.184 h1.52
  text "0.000mm (0.00mil)" at 203.99,164.184 h1.52
  text "0.000mm (0.00mil)" at 237.864,164.184 h1.52
  text "A" at -13.502,163.93 h1.69
  text "3" at 0.086,160.374 h1.52
  text "1.020mm (40.16mil)" at 15.322,160.374 h1.52
  text "PTH" at 44.523,160.374 h1.52
  text "Round" at 57.372,160.374 h1.52
  text "Top Copper - Bottom Copper" at 76.011,160.374 h1.52
  text "Pad" at 117.147,160.374 h1.52
  text "Rounded" at 132.129,160.374 h1.52
  text "c160h102(Tol25-0)" at 151.072,160.374 h1.52
  text "0.250mm (9.84mil)" at 203.99,160.374 h1.52
  text "0.000mm (0.00mil)" at 237.864,160.374 h1.52
  text "3" at 0.086,156.564 h1.52
  text "1.524mm (60.00mil)" at 15.322,156.564 h1.52
  text "PTH" at 44.523,156.564 h1.52
  text "Round" at 57.372,156.564 h1.52
  text "Top Copper - Bottom Copper" at 76.011,156.564 h1.52
  text "Pad" at 117.147,156.564 h1.52
  text "Rounded" at 132.129,156.564 h1.52
  text "c254h152" at 151.072,156.564 h1.52
  text "3" at 0.086,152.754 h1.52
  text "2.400mm (94.50mil)" at 15.322,152.754 h1.52
  text "NPTH" at 44.523,152.754 h1.52
  text "Round" at 57.372,152.754 h1.52
  text "Top Copper - Bottom Copper" at 76.011,152.754 h1.52
  text "Pad" at 117.147,152.754 h1.52
  text "Rounded" at 132.129,152.754 h1.52
  text "c0hn240" at 151.072,152.754 h1.52
  text "13" at 0.086,148.944 h1.52
  text "1.067mm (42.00mil)" at 15.322,148.944 h1.52
  text "PTH" at 44.523,148.944 h1.52
  text "Round" at 57.372,148.944 h1.52
  text "Top Copper - Bottom Copper" at 76.011,148.944 h1.52
  text "Pad" at 117.147,148.944 h1.52
  text "(Mixed)" at 132.129,148.944 h1.52
  text "(Mixed)" at 151.072,148.944 h1.52
  text "15" at 0.086,145.134 h1.52
  text "0.305mm (12.00mil)" at 15.322,145.134 h1.52
  text "PTH" at 44.523,145.134 h1.52
  text "Round" at 57.372,145.134 h1.52
  text "Top Copper - Bottom Copper" at 76.011,145.134 h1.52
  text "Via" at 117.147,145.134 h1.52
  text "Rounded" at 132.129,145.134 h1.52
  text "(Mixed)" at 151.072,145.134 h1.52
  text "40" at 0.086,141.324 h1.52
  text "0.203mm (8.00mil)" at 15.322,141.324 h1.52
  text "PTH" at 44.523,141.324 h1.52
  text "Round" at 57.372,141.324 h1.52
  text "Top Copper - Bottom Copper" at 76.011,141.324 h1.52
  text "Via" at 117.147,141.324 h1.52
  text "Rounded" at 132.129,141.324 h1.52
  text "v46h20m0mx0(Tol8-8)" at 151.072,141.324 h1.52
  text "0.076mm (3.00mil)" at 203.99,141.324 h1.52
  text "0.076mm (3.00mil)" at 237.864,141.324 h1.52
  text "144" at 0.086,137.514 h1.52
  text "0.203mm (8.00mil)" at 15.322,137.514 h1.52
  text "PTH" at 44.523,137.514 h1.52
  text "Round" at 57.372,137.514 h1.52
  text "Top Copper - Bottom Copper" at 76.011,137.514 h1.52
  text "Via" at 117.147,137.514 h1.52
  text "Rounded" at 132.129,137.514 h1.52
  text "(Mixed)" at 151.072,137.514 h1.52
  text "233 Total" at 0.086,133.704 h1.52
  text "Slot definitions :" at -12.763,130.022 h1.52
  text "Routed Path Length" at 13.467,130.022 h1.52
  text "= Calculated from tool start centre position to tool end centre position." at 41.475,130.022 h1.52
  text "Hole Length" at 13.467,127.482 h1.52
  text "= Routed Path Length + Tool Size = Slot length as defined in the PCB layout" at 31.064,127.482 h1.52